# KiCad board AppleII.kicad_pcb (continued)
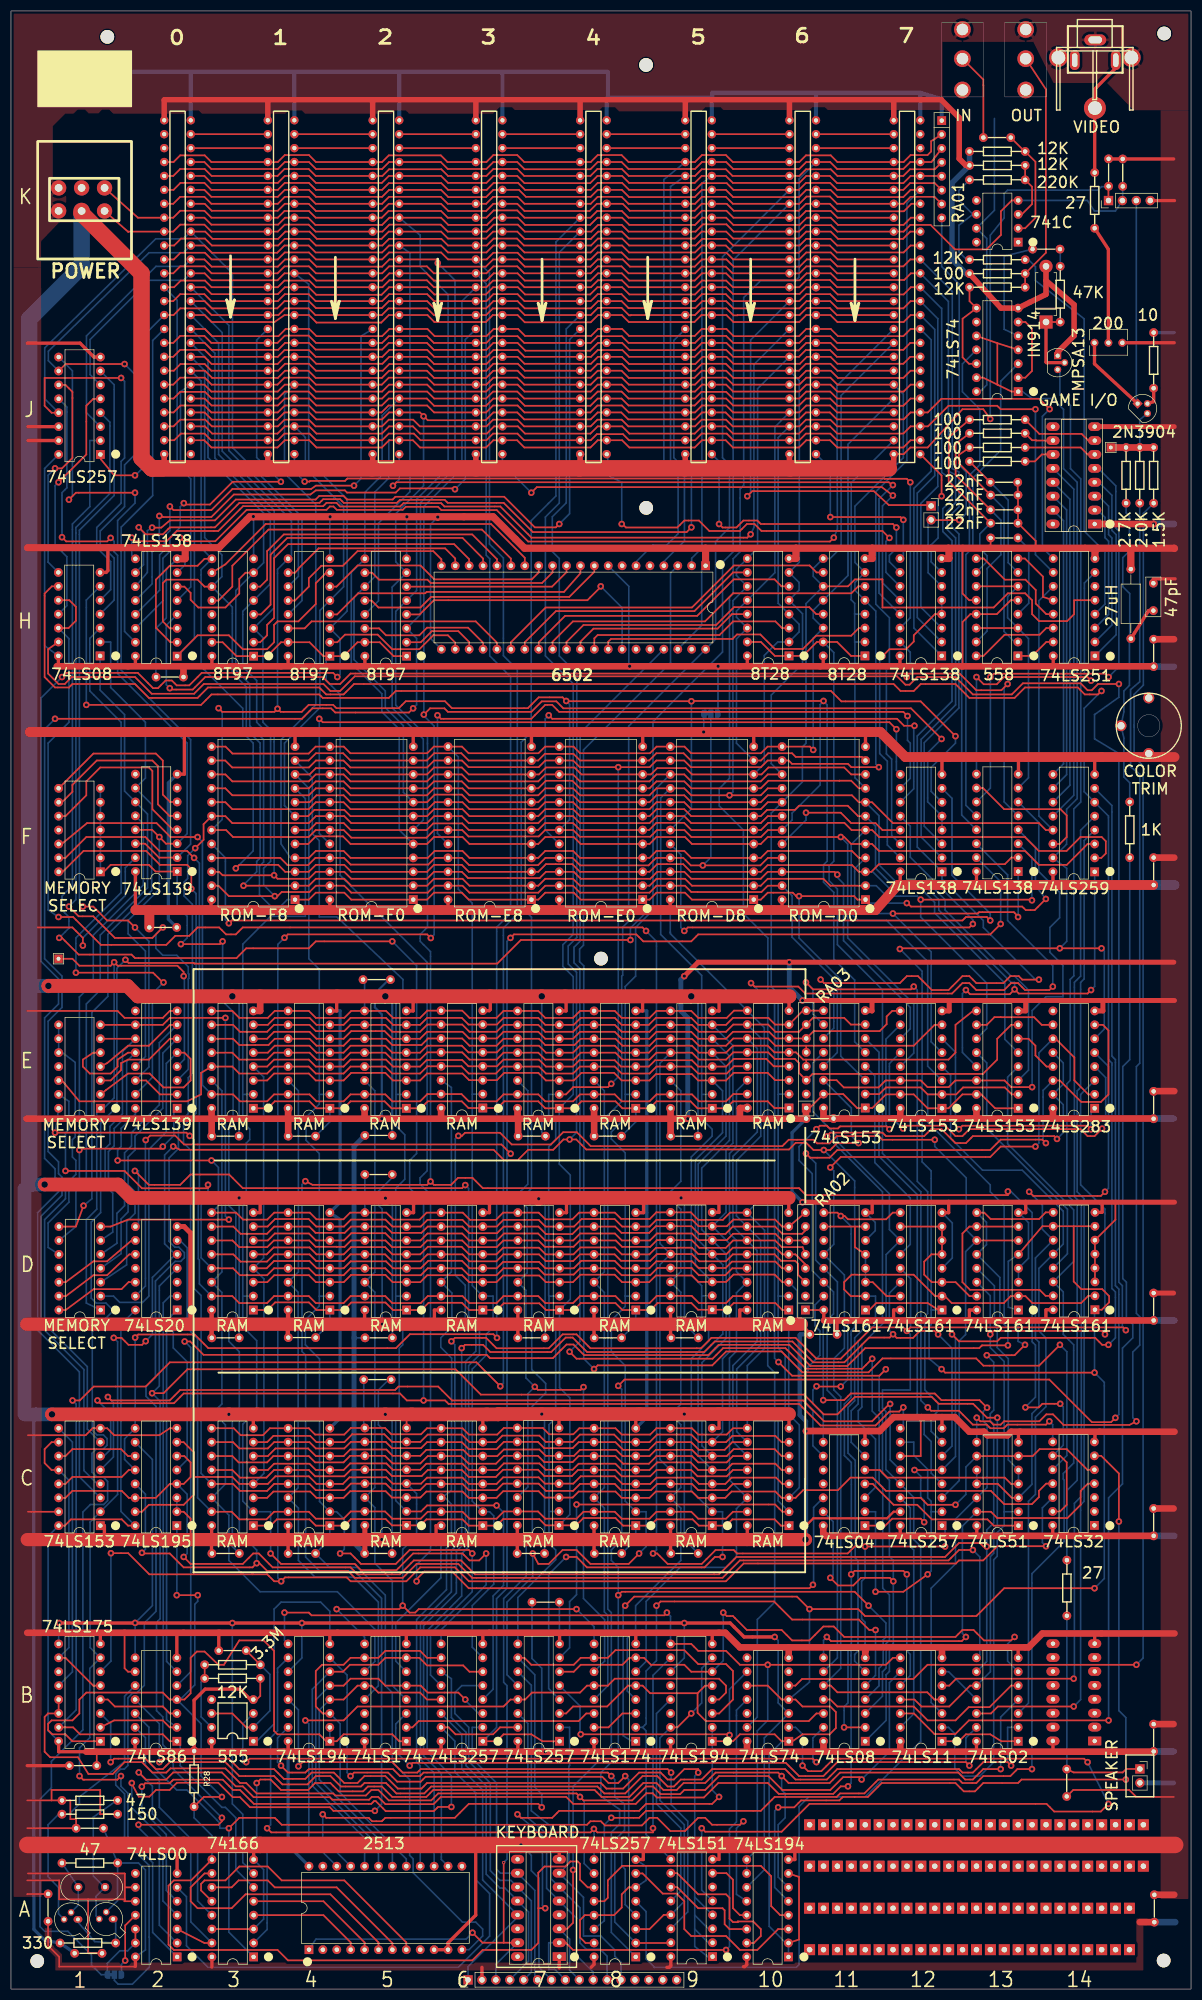
[diagram p0: board, top side]
## Routing (per net, layer and track width the routed paths; a pad name or vN(x,y) marks a point on that pad's centre or on a via; arc(x,y) is an arc through that point) (continued)
Net-(A8-I0a): length 110.6
  Top w0.3: A9.15 120.47,8.41 A8.2 ; v1(49.33,40.79) 50.6,39.52 53.77,39.52 54.41,40.16 69.77,40.16 71.04,38.89 74.73,38.89 75.36,39.52 109.02,39.52 v1(109.65,38.89)
  Bottom w0.3: A8.2 110.29,12.24 110.29,27.2 112.06,28.98 112.06,33.81 110.29,35.08 110.29,38.25 v1(109.65,38.89) ; v1(49.33,40.79) 48.69,41.43 48.69,45.85 B4.15
Net-(A8-Za): length 102.9
  Top w0.3: v1(62.03,38.89) 62.66,39.52 68.88,39.52 70.54,37.87 74.85,37.87 75.74,38.76 108,38.76 109.14,37.62 110.92,37.62 v1(112.19,38.89)
  Bottom w0.3: v1(62.03,38.89) 61.39,39.52 61.39,57.33 B4.7 ; v1(112.19,38.89) 112.83,38.25 112.83,26.19 111.56,24.92 111.56,22.5 112.19,21.87 112.19,15.42 A8.4
Net-(A8-Zd): length 142.8
  Top w0.3: v1(46.79,29.36) 47.55,28.6 105.84,28.6 v1(106.48,29.24) 107.11,28.6 117.27,28.6 v1(117.27,29.36)
  Bottom w0.3: v1(46.79,29.36) 47.42,30 47.42,45.87 48.69,47.14 48.69,58.55 B4.10 ; v1(106.48,29.24) 106.5,29.21 A8.9 ; v1(117.27,29.36) 117.27,57.28 B9.10
Net-(A9-I5): length 113.7
  Top w0.3: v1(120.57,39.52) 119.94,40.16 74.85,40.16 74.22,39.52 71.55,39.52 69.65,41.43 53.26,41.43 v1(52.5,40.67)
  Bottom w0.3: v1(120.57,39.52) 120.57,33.68 123.62,30.63 123.62,14.1 A9.14 ; v1(52.5,40.67) 52.5,50.98 B4.13
Net-(A9-Z): length 162.9
  Top w0.3: v1(144.58,40.79) 145.59,39.78 148.01,39.78 150.29,42.06 196.01,42.06 v1(196.65,41.43) ; v1(200.46,33.81) 199.06,32.41 190.55,32.41 189.15,33.81 145.85,33.81 140.77,28.73 126.8,28.73 v1(126.16,29.36)
  Bottom w0.3: v1(144.58,40.79) 144.58,46.51 143.31,47.78 B10.2 ; v1(196.65,41.43) v1(200.46,33.81) ; A9.5 126.16,18.06 v1(126.16,29.36)
Net-(A10-P0): length 38.2
  Top w0.3: A8.7 115.37,21.11 119.05,17.42 121.59,17.42 122.99,16.03 122.99,10.95 124.26,9.68 130.61,9.68 133.15,7.14 136.32,7.14 140.13,10.95 A10.3
Net-(A10-P1): length 47
  Top w0.3: A10.4 140.51,13.49 138.86,15.14 138.86,20.6 136.96,22.5 111.68,22.5 109.02,19.84 109.02,16.66 108.38,16.03 A8.12
Net-(A10-Q0): length 27.4
  Top w0.3: A10.15 135.69,8.41 136.96,9.68 136.96,10.95 135.57,12.34 132.77,12.34 132.77,12.33 132.77,12.22 131.88,12.22 131.24,12.85 131.24,16.66 130.61,17.3 125.53,17.3 121.67,21.16 A9.10
Net-(A10-Q1): length 18.5
  Top w0.3: A10.14 131.24,10.95 130.35,11.84 130.35,14.38 129.97,14.76 125.53,14.76 121.67,18.62 A9.11
Net-(A10-Q2): length 12.5
  Top w0.3: A9.7 130.68,21.16 131.88,19.96 131.88,14.76 133.15,13.49 A10.13
Net-(B1-1D): length 15
  Top w0.3: B1.4 17.7,52.86 18.97,51.59 27.74,51.59 29.01,50.32 B2.3
Net-(B1-2D): length 54.3
  Top w0.3: C1.12 7.42,94.77 6.15,96.04 6.15,98.58 7.42,99.85 C1.10 ; B1.10 9.96,60.48 15.04,55.4 B1.5
  Bottom w0.3: B1.10 10.59,62.36 10.59,92.89 C1.12
Net-(B1-3D): length 49.1
  Bottom w0.3: C1.9 11.23,99.87 11.23,57.91 B1.12
Net-(B2-Pad6): length 67.6
  Bottom w0.3: D2.1 28.42,122.05 28.42,59.82 B2.6
Net-(B3-DISCH): length 12.5
  Top w0.3: R13.2 R12.1
  Bottom w0.3: R12.1 34.72,56.06 34.72,49.71 B3.7
Net-(B3-OUT): length 123
  Top w0.3: v1(42.98,41.43) 43.61,42.06 146.48,42.06 v1(147.12,41.43)
  Bottom w0.3: v1(42.98,41.43) 42.85,41.3 42.34,41.3 42.34,48.39 B3.3 ; B11.13 146.48,45.85 146.48,41.43 v1(147.12,41.43)
Net-(B3-THRES): length 25.7
  Top w0.3: Cap15.2 45.54,59.22 R13.1 ; B3.6 40.44,50.32 42.98,47.78 B3.2
  Bottom w0.3: R13.1 47.29,57.45 47.29,50.8 B3.2
Net-(B8-D0): length 8.7
  Top w0.3: B8.15 109.14,47.78 111.68,50.32 B8.3
Net-(B11-Pad8): length 80.4
  Top w0.3: C13.13 178.99,87.15 180.14,86 192.96,86 195.38,88.42 195.38,90.96 196.7,92.28 C14.4 ; v1(174.42,64.29) 173.66,63.53 149.78,63.53 v1(149.02,64.29)
  Bottom w0.3: C13.13 173.79,84.53 173.79,64.92 v1(174.42,64.29) ; v1(149.02,64.29) 148.41,63.68 B11.8
Net-(B11-Pad11): length 39.8
  Top w0.3: B11.11 149.66,52.86 150.93,51.59 164.9,51.59 167.44,49.05 172.52,49.05 174.94,51.47 178.75,51.47 182.68,55.4 B13.5
Net-(B12-Pad1): length 14.8
  Top w0.3: B12.1 173.15,45.24 174.42,46.51 178.87,46.51 180.9,45.24 B13.1
Net-(B12-Pad6): length 8.4
  Bottom w0.3: B12.6 171.27,57.94 B13.11
Net-(B12-Pad12): length 201.3
  Top w0.3: B12.12 164.92,50.32 168.68,46.56 172.49,46.56 174.98,49.05 v1(200.48,49.05)
  Bottom w0.3: v1(200.48,49.05) 200.48,89.69 203.02,92.23 203.02,117.02 204.9,118.9 204.9,121.39 203.73,122.55 203.73,129.06 203.07,129.72 203.07,168.43 204.34,169.7 R5.1
Net-(C1-I1b): length 15
  Top w0.3: C1.11 9.96,97.31 11.23,98.58 20.12,98.58 21.39,97.31 C2.11
Net-(C2-P1): length 45.8
  Bottom w0.3: D2.6 30.86,136.68 32.18,135.36 32.18,122.66 29.64,120.12 29.64,117.07 32.18,114.53 32.18,96.65 C2.5
Net-(C11-Pad4): length 31.2
  Top w0.3: C11.4 157.4,92.23 161.21,88.42 165.53,88.42 168.19,85.76 178.35,85.76 179.5,84.61 C13.1
Net-(C12-I0a): length 57.2
  Top w0.3: v1(157.91,72.54) 162.99,72.54 v1(167.44,75.72)
  Bottom w0.3: 168.07,87.15 C12.2 ; 168.07,87.15 168.07,89.05 167.44,89.69 167.44,94.89 164.9,97.43 164.9,99.85 C12.10 ; 168.07,87.15 168.07,76.35 v1(167.44,75.72) ; C11.2 157.91,87.15 v1(157.91,72.54)
Net-(C12-Za): length 87.1
  Bottom w0.3: E11.6 158.55,171.04 158.55,152.04 165.53,145.06 165.53,105.05 166.8,103.78 166.8,101.24 168.07,99.97 168.07,94.21 C12.4
Net-(C12-Zb): length 116.2
  Top w0.3: v1(164.9,183.03) 164.39,182.52 146.48,182.52 v1(145.21,183.79)
  Bottom w0.3: v1(145.21,183.79) 146.48,182.52 146.48,178.03 E11.10 ; C12.7 168.07,101.83 168.07,104.29 169.34,105.56 169.34,106.96 166.93,109.37 166.93,122.83 167.44,123.34 167.44,145.57 165.53,147.47 165.53,182.4 v1(164.9,183.03)
Net-(Cap10-Pad1): length 16
  Top w0.3: J0.T 177.6,348.64 177.6,347.62 177.61,347.61 Cap10.1
Net-(Cap11-Pad2): length 3.2
  Bottom w0.3: R24.2 191.65,314.54 191.65,317.63 Cap11.2
Net-(Cap12-Pad1): length 41.7
  Top w0.3: 192.86,40.16 194.11,39.55 203.07,39.55 203.71,40.19 SPKR1.1
  Bottom w0.3: 192.86,40.16 R25.1
Net-(CR1-K): length 13.4
  Top w0.3: R24.1 CR1.1
  Top w0.6: CR1.1 189.05,297.05 189.15,296.95 Q4.2
Net-(CT3-Pad2): length 64
  Top w0.6: L1.1 205.21,247.57 207.8,251.69 Cap2.1
  Bottom w0.3: R5.2 204.34,220.24 203.28,221.31 203.28,228.42 202.74,230.66 203.28,233.2 203.28,237.01 204.29,238.02 204.29,246.3 L1.1 204.34,246.76 204.34,254.79 203.07,256.06 203.07,261.34 204.29,262.56 204.29,268.91 203.68,269.52 R6.1
Net-(D1-Pad12): length 16.6
  Top w0.3: D1.12 9.98,129.06 15.06,132.87 17.55,132.87 21.92,136.58 D2.9
Net-(D1-Pad13): length 16.8
  Top w0.3: D2.10 21.62,134.14 17.55,130.33 15.06,130.33 10.03,126.52 D1.13
Net-(D1-Pad14): length 15.8
  Top w0.3: D2.12 21.56,129.06 21.51,129.11 20.19,127.79 15.11,127.79 9.98,123.98 D1.14
Net-(D11-CEP): length 26.2
  Top w0.3: D11.3 157.4,129.06 159.94,126.52 D12.15 ; 154.15,139.22 154.15,135.46 D11.5 ; 154.15,139.22 D11.10 ; 154.15,139.22 D11.7
  Bottom w0.3: D11.5 D11.3
Net-(D11-TC): length 32.7
  Bottom w0.3: C11.9 146.48,99.19 146.48,105.56 145.21,106.83 145.21,112.55 145.59,112.93 145.59,113.69 145.72,113.69 147.75,115.72 147.75,120.17 146.86,121.06 146.86,124.92 D11.15
Net-(D11-~{PE}): length 63.4
  Top w0.3: D11.9 150.95,141.76 v1(151.56,141.15) 152.27,141.15 152.88,140.54 159.84,140.54 161.06,141.76 D12.9 ; v1(151.56,110.01) 147.19,110.01 v1(147.14,110.06)
  Bottom w0.3: v1(147.14,110.06) 146.48,109.4 146.48,106.86 148.36,104.98 C11.8 ; v1(151.56,141.15) 153.44,139.27 153.44,122 152.83,121.39 152.83,111.28 v1(151.56,110.01)
Net-(D12-CEP): length 30.1
  Top w0.3: D13.15 175.08,126.52 172.54,129.06 D12.3 168.17,129.06 166.8,130.43 166.8,132.82 168.12,134.14 D12.5 D12.7 D12.10
Net-(D13-CEP): length 37.3
  Top w0.3: D14.15 188.98,126.57 187.88,127.67 175.18,127.67 173.79,129.06 173.79,137.95 175.06,139.22 D13.10 D13.7
Net-(D13-Q2): length 264.8
  Top w0.3: D13.9 177.77,141.76 178.94,140.59 187.78,140.59 189,141.81 D14.9 ; v1(182.09,117.53) 177.37,117.53 176.86,117.02 156.03,117.02 152.78,113.77 146.02,113.77 142.16,117.63 129.26,117.63 127.38,115.75 104.67,115.75 102.74,117.68 101.47,117.68 98.98,115.19 87.5,115.19 86.89,115.8 35.18,115.8 32.74,118.24 v1(31.72,118.24)
  Bottom w0.3: D13.9 178.18,139.98 178.18,135.92 D13.12 180.62,129.92 180.62,122.15 182.09,120.68 v1(182.09,117.53) ; v1(31.72,118.24) 32.84,117.12 32.84,57.94 B2.5
Net-(E2A-A0): length 151.5
  Top w0.3: v1(13.13,197.64) 15.04,197.64 17.58,195.1 21.39,195.1 v1(22.66,193.83) ; E2.14 24.69,165.89 27.23,163.35 E2.2
  Bottom w0.3: v1(13.13,197.64) 12.5,198.27 12.5,266.34 18.85,272.69 18.85,292.91 J1.7 ; E2.14 25.2,168.35 25.2,191.29 v1(22.66,193.83)
Net-(E2A-A1): length 147.6
  Top w0.3: v1(27.74,193.83) 25.83,191.92 18.97,191.92 15.04,195.86 12.37,195.86 v1(10.59,197.64)
  Bottom w0.3: v1(27.74,193.83) 26.47,192.56 26.47,190.02 27.74,188.75 30.28,188.75 32.39,186.64 32.39,185.44 32.5,185.33 32.5,184.54 32.39,184.43 32.39,167.92 E2.3 ; J1.4 18.08,286.05 18.08,273.08 11.86,266.85 11.86,198.91 v1(10.59,197.64)
Net-(E2A-E): length 112.5
  Top w0.3: v1(27.74,153.82) 27.36,153.44 12.75,153.44 v1(12.5,153.19)
  Bottom w0.3: E2.1 29.74,160.2 29.74,155.83 v1(27.74,153.82) ; D1.10 6.78,135.41 6.78,139.85 10.59,143.66 10.59,145.95 12.5,147.85 v1(12.5,153.19) 12.5,181.13 15.04,183.67 15.04,192.43 24.18,201.57 24.18,212.75 F2.12
Net-(E2A-O0): length 109.9
  Top w0.3: TP1.1 11.23,188.11 12.5,186.84 18.21,186.84 v1(18.85,187.48) 19.48,186.84 30.4,186.84 31.55,185.7 v1(31.55,184.94)
  Bottom w0.3: E2.4 31.67,169.75 31.67,184.81 v1(31.55,184.94) ; v1(18.85,187.48) 18.85,162.71 16.94,160.81 E1.1 15.67,160.15 15.67,142.39 13.77,140.49 13.77,125.25 D1.1
Net-(E2A-O1): length 82.6
  Top w0.3: E1.2 17.32,164.11 21.39,167.16 25.32,167.16 27.86,164.62 31.55,164.62 32.82,165.89 32.82,169.82 31.67,170.97 E2.5
  Bottom w0.3: E2.5 28.37,168.99 28.37,156.49 25.2,153.31 25.2,126.52 24.05,125.37 19.87,125.37 18.72,126.52 D1.2
Net-(E2A-O2): length 69.7
  Top w0.3: E2.6 29.01,173.51 25.2,169.7 21.39,169.7 20.12,169.06 20.12,167.79 18.21,165.89 E1.3
  Bottom w0.3: E2.6 27.74,170.89 27.74,160.81 22.66,155.73 22.66,153.19 21.39,151.92 21.39,146.84 22.66,145.57 22.66,141.63 21.13,140.11 21.13,132.23 D1.3
Net-(E2A-O3): length 68
  Top w0.3: E1.4 17.58,169.06 21.39,172.24 25.2,172.24 29.01,176.05 E2.7
  Bottom w0.3: D1.4 20.12,134.26 20.12,140.61 21.39,141.88 21.39,145.44 20.75,146.08 20.75,152.68 22.02,153.95 22.02,156.36 27.1,161.44 27.1,172.8 E2.7
Net-(E2B-A1): length 153.1
  Top w0.3: F2.13 25.78,211.66 v1(27.1,210.34) 28.32,209.12 F2.3 ; v1(18.21,264.95) 17.58,264.31 10.08,264.31 v1(9.32,265.07)
  Bottom w0.3: F2.3 32.18,210.95 32.18,227.48 19.48,240.18 19.48,261.77 18.85,262.41 18.85,264.31 v1(18.21,264.95) ; J1.12 10.21,288.85 10.21,274.09 9.32,273.2 v1(9.32,265.07) ; v1(27.1,210.34) 27.1,200.81 21.39,195.1 21.39,192.68 24.56,189.51 24.56,170.26 E2.13
Net-(E2B-E): length 108.8
  Top w0.3: v1(27.86,183.79) 27.74,183.79 25.96,185.57 v1(11.86,185.57)
  Bottom w0.3: H1.3 14.4,246.61 14.4,237.01 20.12,231.29 20.12,200.18 11.86,191.92 v1(11.86,185.57) ; v1(27.86,183.79) 25.83,181.76 25.83,166.45 E2.15
Net-(E2B-O0): length 59.4
  Top w0.3: E2.12 21.39,170.97 19.48,169.7 19.48,168.43 18.21,167.16 14.4,167.16 13.13,168.43 13.13,169.7 15.04,170.97 E1.5
  Bottom w0.3: E2.12 21.13,169.37 21.13,159.41 18.85,157.12 18.85,153.95 17.81,152.91 17.81,147.88 20.75,144.93 20.75,143.03 19.35,141.63 19.35,136.17 D1.5
Net-(E2B-O1): length 47.3
  Top w0.3: E1.6 E2.11
  Bottom w0.3: D1.6 18.59,138.2 18.59,145.31 17.2,146.71 17.2,153.44 18.08,154.33 18.08,157.51 20.37,159.79 20.37,171.15 E2.11
Net-(E2B-O2): length 84.1
  Top w0.3: v1(39.17,177.32) 29.01,177.32 27.74,176.05 E2.10 E1.7 ; D1.7 18.21,139.22 21.39,140.49 v1(39.8,140.49)
  Bottom w0.3: v1(39.17,177.32) 39.17,141.12 v1(39.8,140.49)
Net-(E12-I0a): length 46.6
  Top w0.3: 197.28,157 196.65,157.63 173.79,157.63 v1(173.15,157)
  Bottom w0.3: E14.1 197.28,160.15 v1(197.26,156.97) 197.28,157 ; E12.6 172.52,171.04 172.52,157.63 v1(173.15,157)
Net-(E12-I2b): length 67.3
  Top w0.3: 199.31,157.12 v1(199.29,157.1) 197.92,155.73 196.65,155.73 195.38,157 175.06,157 173.79,155.73 172.52,155.73 170.61,157.63 163.63,157.63 162.99,157
  Bottom w0.3: E12.12 160.45,168.99 160.45,159.54 162.86,157.12 v1(162.94,157.12) 162.94,157.05 162.99,157 ; 199.31,157.12 199.95,157.76 199.95,166.42 E14.4
Net-(E13-I0a): length 9.5
  Top w0.3: E13.6 185.85,173.51 187.12,172.24 187.12,170.46 189.15,168.43 E14.13
Net-(E13-I0b): length 15.1
  Top w0.3: E14.10 188.26,176.05 186.87,177.44 180.78,177.44 180.77,177.44 179.63,177.44 178.23,176.05 E13.10
Net-(E14-A4): length 129.5
  Top w0.3: 149.02,155.73 149.66,156.36 159.18,156.36 159.82,155.73 166.8,155.73 168.07,157 169.98,157 172.52,154.46 174.42,154.46 175.69,155.73 190.55,155.73 v1(191.06,155.22)
  Bottom w0.3: C11.6 153.47,99.82 153.47,105.56 154.74,106.83 154.74,118.26 159.18,122.71 159.18,145.57 v1(149.07,155.68) 149.02,155.73 ; v1(191.06,155.22) 192.2,156.36 192.2,161.47 E14.15 192.2,165.23 192.2,169.09 E14.12
Net-(F2A-A0): length 123.1
  Top w0.3: v1(22.66,273.2) 11.86,273.2 v1(10.59,271.93) ; F2.14 24.51,209.12 27.05,206.58 F2.2
  Bottom w0.3: F2.2 32.82,209.04 32.82,228.12 20.12,240.82 20.12,262.53 19.48,263.17 19.48,268.12 22.66,271.3 v1(22.66,273.2) ; J1.9 11.23,295.45 11.23,272.57 v1(10.59,271.93)
Net-(F2A-O0): length 35.6
  Top w0.3: F1.10 9.96,214.15 13.77,217.96 13.77,220.5 16.31,223.04 25.2,223.04 25.83,222.4 25.83,215.42 29.59,211.66 F2.4
Net-(F2A-O1): length 33.8
  Top w0.3: F2.5 28.96,214.2 26.85,216.31 26.85,223.29 25.83,224.31 15.67,224.31 11.23,219.86 11.23,218.59 9.32,216.69 F1.9
Net-(F2A-O2): length 31.6
  Top w0.3: F2.6 29.08,216.74 27.74,218.08 27.74,224.31 26.47,225.58 15.06,225.58 F1.8
Net-(F2B-O1): length 117.2
  Bottom w0.3: H1.1 16.28,237.16 20.75,232.69 20.75,218.72 F2.11 24.94,214.53 24.94,201.07 16.31,192.43 16.31,182.4 13.77,179.86 13.77,147.6 11.86,145.69 11.86,139.22 D1.9
Net-(F2B-O2): length 121.8
  Top w0.3: D1.8 11.86,139.22 v1(13.26,143.03)
  Bottom w0.3: v1(13.26,143.03) 14.78,144.3 14.78,178.33 17.7,181.25 17.7,192.56 25.7,200.56 25.7,216.31 F2.10 24.56,221.11 24.56,231.29 18.21,237.64 18.21,245.9 18.16,245.95 H1.2
Net-(F12-E3): length 201.2
  Top w0.3: v1(172.52,228.75) 166.17,235.1 151.69,235.1 149.78,237.01 70.28,237.01 69.01,235.74 56.95,235.74 56.31,236.37 36.63,236.37 34.72,234.47 v1(13.77,234.47)
  Bottom w0.3: H1.6 13.77,253.59 v1(13.77,234.47) ; F12.6 168.07,218.67 168.07,223.04 172.52,227.48 v1(172.52,228.75)
Net-(F13-O5): length 25.5
  Top w0.3: F14.14 191.57,209.07 192.84,210.34 192.84,214.27 191.69,215.42 181.41,215.42 177.55,219.28 F13.10
Net-(F13-O6): length 61.1
  Top w0.3: v1(176.35,239.55) 177.67,238.23 180.06,238.23 181.38,239.55 196.62,239.55 v1(197.28,238.89)
  Bottom w0.3: H14.7 196.06,256.72 196.06,240.11 v1(197.28,238.89) ; v1(176.35,239.55) F13.9
Net-(F13-O7): length 55.2
  Top w0.3: H13.14 H13.3 ; H13.11 H13.6
  Bottom w0.3: F13.7 185.85,221.16 185.85,246.56 H13.3 182.04,250.37 182.04,254.23 H13.6
Net-(H3-DIS1): length 311.5
  Top w0.3: H3.15 38.66,245.9 41.2,243.36 H3.1 46.79,243.36 49.33,245.9 H4.15 54.53,245.9 57.07,243.36 H4.1 60.76,243.36 63.3,245.9 H5.15 67.36,245.9 69.9,243.36 H5.1 ; v1(146.48,73.81) 145.85,73.18 83.62,73.18 80.57,76.23 75.49,76.23 74.09,74.83 v1(74.09,74.45)
  Bottom w0.3: v1(146.48,73.81) 146.61,73.94 146.61,87.93 C11.12 ; v1(74.09,74.45) 74.09,77.5 76.63,80.04 76.63,145.06 74.73,146.96 74.73,148.11 76,149.38 76,187.48 60.12,203.35 60.12,236.37 57.58,238.91 57.58,242.72 58.22,243.36 H4.1
Net-(H7-Phi0): length 263.1
  Top w0.3: v1(157.3,115.09) 155.47,113.26 145.21,113.26 141.45,117.02 130.07,117.02 128.14,115.09 103.3,115.09 v1(102.03,116.36)
  Bottom w0.3: v1(157.3,115.09) 157.3,105.54 158.57,104.27 158.57,92.28 159.23,91.62 159.23,73.18 160.45,71.96 160.45,63.68 159.84,63.07 159.84,58.6 159.18,57.94 159.18,53.47 B11.3 ; H7.37 103.96,229.34 103.96,191.34 102.84,190.22 102.84,187.38 103.91,186.31 103.91,118.24 v1(102.03,116.36)
Net-(H7-Phi1): length 270.8
  Top w0.3: v1(106.5,113.21) 107.16,113.87 128.09,113.87 130.63,116.41 140.74,116.41 144.55,112.6 156.64,112.6 159.18,115.14 176.3,115.14 177.62,113.82 187.78,113.82 v1(191.59,117.63)
  Bottom w0.3: C14.10 192.86,97.41 192.86,116.36 v1(191.59,117.63) ; H7.3 120.47,258.55 120.47,242.14 104.57,226.24 104.57,190.58 103.86,189.86 103.86,187.58 104.62,186.82 104.62,115.09 v1(106.5,113.21)
Net-(H10-Driver_Ena): length 201.3
  Top w0.3: H10.15 136.98,245.95 139.52,243.41 H10.1 144.65,243.41 147.19,245.95 H11.15 150.9,245.95 153.44,243.41 H11.1 ; v1(189.66,103.66) 189.05,103.05 181.99,103.05 181.33,102.39 178.89,102.39 178.23,103.05 175.69,103.05 173.15,105.59 168.07,105.59 v1(167.46,106.2)
  Bottom w0.3: v1(167.46,106.2) 166.19,107.47 166.19,145.57 159.18,152.58 159.18,182.45 150.95,190.68 150.95,200.84 149.43,202.36 149.43,205.05 150.29,205.92 150.29,244.02 H11.15 ; v1(189.66,103.66) 190.27,103.05 C14.8
Net-(H13-Ctrl_Volt): length 15.6
  Bottom w0.3: Cap9.1 185.9,262.98 185.9,253.01 H13.4
Net-(H13-OutA): length 7.5
  Top w0.3: H14.15 189.1,245.95 186.56,243.41 H13.1
Net-(H13-OutB): length 11.6
  Top w0.3: H14.12 188.49,254.18 188.49,257.89 185.19,261.19 H13.8
Net-(H13-OutC): length 19.7
  Top w0.3: H14.13 189.1,251.03 187.17,252.96 187.17,255.45 185.29,257.33 181.53,257.33 177.67,261.19 H13.9
Net-(H13-OutD): length 16.2
  Top w0.3: H13.16 177.62,243.41 181.48,247.27 187.88,247.27 189.1,248.49 H14.14
Net-(H13-TimingA): length 41.5
  Top w0.3: Cap8.1 173.15,278.55 173.15,280.14 175.18,281.51
  Bottom w0.3: H13.2 183.31,245.95 181.38,247.88 181.38,270.32 Cap8.1
Net-(H13-TimingB): length 23.9
  Top w0.3: R23.2 175.08,278.91 Cap7.1
  Bottom w0.3: H13.7 182.14,260.43 182.14,271.85 Cap7.1
Net-(H13-TimingC): length 35
  Top w0.3: R22.2 171.32,283.39 171.27,275.3 Cap6.1
  Bottom w0.3: Cap6.1 176.96,265.67 176.96,263.02 178.28,261.7 178.28,260.63 H13.10
Net-(H13-TimingD): length 44.7
  Top w0.3: R21.2 172.54,282.12 172.54,276.46 Cap5.1
  Bottom w0.3: Cap5.1 180.82,268.18 180.82,261.9 178.28,259.36 178.28,247.93 H13.15
Net-(H14-I1): length 23.9
  Bottom w0.3: J14.2 198.5,270.03 199.82,268.71 199.82,265 200.48,264.34 200.48,250.98 H14.3
Net-(H14-I2): length 29.6
  Bottom w0.3: H14.2 201.09,249.05 201.09,264.95 200.48,265.56 200.48,270.74 198.65,272.57 J14.3
Net-(H14-I3): length 35.4
  Bottom w0.3: J14.4 198.7,275.11 201.09,272.72 201.09,266.32 201.85,265.56 201.85,247.27 H14.1
Net-(J1-I0b): length 45
  Top w0.3: J1.5 15.04,290.35 13.77,289.08 13.77,280.19 v1(8.69,275.11)
  Bottom w0.3: H1.11 10.21,252.58 10.21,261.52 8.05,263.68 8.05,274.47 v1(8.69,275.11)
Net-(J1-I0d): length 39.4
  Top w0.3: v1(8.05,277.65) 9.32,277.65 11.23,279.55 11.23,291.62 9.96,292.89 J1.11
  Bottom w0.3: H1.8 6.78,260.53 6.78,276.38 v1(8.05,277.65)
Net-(J2-PadT): length 44.4
  Top w0.3: J2.T 189.03,346.86 189.03,317.02 R18.2 R19.1
Net-(J13A-D): length 13.8
  Top w0.3: J13.6 185.29,304.37 186.49,303.17 186.49,295.43 185.27,294.21 J13.2
Net-(J13A-Q): length 21.6
  Bottom w0.3: J13.5 181.41,303.05 181.41,316.38 Cap11.1 186.65,317.73
Net-(J13B-D): length 17.6
  Top w0.3: J13.12 174.98,296.75 173.81,297.92 173.81,304.98 J13.8 175.08,308.18 R19.2
Net-(J18-Pin_3): length 51.7
  Top w0.6: R11.1 197.91,296.73 Q3.1
  Bottom w0.3: Q3.1 205.55,289.7 J18.3
Net-(JP1-B): length 11.9
  Top w0.3: A2.11 20.86,11.62 v1(20.86,5.2)
  Bottom w0.3: v1(20.86,5.2) 20.19,4.52 JP1.3
Net-(K13-+): length 10.9
  Top w0.3: K13.3 184.63,324.03 186.51,325.91 186.51,329.06 R15.1 R16.2
Net-(K13--): length 20.5
  Top w0.3: K13.2 185.24,321.49 187.12,323.37 187.12,333.63 R17.2 185.15,335.51 Cap10.2
Net-(K13-Pad6): length 20.1
  Bottom w0.3: R15.2 173.15,328.4 173.15,326.57 175.69,324.03 K13.6 175.49,323.88 173.15,322.05 173.15,317.17 174.57,315.75 R29.1
Net-(K14-Pad2): length 22.1
  Top w0.6: R10.2 197.94,346.89 201.79,350.74 K14.2
Net-(Q1-C): length 25.8
  Bottom w0.3: Q1.3 15.54,13.36 15.54,16.97 Y1.1 ; 19.43,34.52 15.04,31.39 15.04,20.64 17.05,18.62
Net-(Q1-E): length 13.6
  Bottom w0.3: Q2.1 12.24,12.22 15.29,8.66 R1.2 19.13,12.32 Q1.1
Net-(Q2-B): length 10.5
  Bottom w0.3: Q2.2 12.3,15.32 Y1.2 R4.2
Net-(Q2-C): length 52.2
  Bottom w0.3: B2.10 20.75,53.47 20.75,41.55 12.5,35.08 12.5,33.81 10.62,31.93 R3.1 8.71,31.93 6.78,30 6.78,20.47 8.69,18.57 8.69,13.74 Q2.3
Net-(Q3-C): length 3.6
  Top w0.6: R9.2 208.71,289.84 Q3.2
Net-(Q4-C): length 221.7
  Bottom w0.3: Q4.3 191.59,295.27 191.59,291.06 193.52,289.13 193.52,277.6 195.4,275.72 195.4,216.74 194.13,215.47 194.13,184.99 193.47,184.33 193.47,165.89 192.86,165.28 192.86,145.01 194.74,143.13 194.74,92.89 192.86,91.01 R25.2
Net-(R10-Pad1): length 21.6
  Top w0.6: R11.2 200.45,317.64 R10.1
Net-(SLOT0-Pin_23): length 14.1
  Top w0.3: SLOT0.23 SLOT1.28
Net-(SLOT0-Pin_24): length 14.1
  Top w0.3: SLOT0.24 SLOT1.27
Net-(SLOT1-Pin_23): length 14.3
  Top w0.3: SLOT1.23 SLOT2.28
Net-(SLOT1-Pin_24): length 14.3
  Top w0.3: SLOT1.24 SLOT2.27
Net-(SLOT2-Pin_23): length 14
  Top w0.3: 70.92,336.12 SLOT3.28
Net-(SLOT2-Pin_24): length 14
  Top w0.3: 70.92,338.66 SLOT3.27
Net-(SLOT4-Pin_23): length 14.4
  Top w0.3: SLOT4.23 SLOT5.28
Net-(SLOT4-Pin_24): length 14.4
  Top w0.3: SLOT4.24 SLOT5.27
Net-(SLOT5-Pin_23): length 14.2
  Top w0.3: SLOT5.23 SLOT6.28
Net-(SLOT5-Pin_24): length 14.2
  Top w0.3: SLOT5.24 SLOT6.27
Net-(SLOT6-Pin_23): length 14.2
  Top w0.3: SLOT6.23 SLOT7.28
Net-(SLOT6-Pin_24): length 14.2
  Top w0.3: SLOT6.24 SLOT7.27

## Copper pours and planes (outline as drawn; the poured copper is in the pictures)
+5V on Top: 205.56,12.88 209.7,12.88 209.7,11.61 206.83,11.61 206.83,3.38 8.1,3.38 8.1,5.82 6.17,7.75 6.17,12.88 7.44,12.88 7.44,8.2 9.32,6.32 9.32,4.85 205.56,4.85
+5V on Bottom: 12.32,328.9 9.63,332.11 9.63,351.31 10.95,352.93 21.41,352.93 21.41,360.25 170.66,360.25 170.97,345.62 172.19,343.38 188.75,343.38 191.29,338.66 197.94,338.66 200.99,342.06 214.45,342.06 214.45,338 214.6,11.71 209.93,11.71 210.08,338 200.79,338 197.64,335.15 189.05,335.15 187.12,340.54 172.19,340.54 169.73,343.37 169.55,343.38 19.53,343.08 19.48,343.03 19.48,335.46 14.12,329.77 12.93,328.8
GND on Top: 7.65,330.48 7.65,340.13 9.93,342.42 11.46,342.42 12.17,343.13 13.54,343.13 14.2,342.47 15.98,342.47 16.64,343.13 17.96,343.13 18.67,342.42 31.67,342.42 32.23,342.98 34.32,342.98 34.87,342.42 50.11,342.42 50.67,342.98 53.16,342.98 53.72,342.42 69.57,342.42 70.13,342.98 72.16,342.98 72.72,342.42 88.06,342.42 89.23,343.59 91.52,343.59 92.02,343.08 107.52,343.08 108.03,343.59 110.31,343.59 111.07,342.82 126.06,342.82 126.82,343.59 129.62,343.59 130.12,343.08 145.87,343.08 146.38,343.59 148.67,343.59 149.17,343.08 170.66,343.08 170.66,342.82 171.27,342.82 171.27,343.59 170.15,344.7 170.15,355.52 186.74,355.52 190.42,348.01 200.2,348.01 205.05,343.03 215.06,343.03 215.11,360.86 0.43,360.85 0.43,314.32 5.51,314.29 5.51,319.12 10.08,323.88 10.08,330.48
GND on Top: 0.41,16.81 0.43,314.38 5.51,314.38 5.64,16.81
GND on Top: 209.98,351.21 215.06,351.21 215.06,16.43 209.98,16.43
GND on Top: 2.97,21.11 20.75,21.11 20.75,15.77 20.12,16.41 8.81,16.41 8.81,19.84 2.97,19.84

## Text on the board
F.Silkscreen: 100 | 74LS257 | 12K | IN | OUT | 741C | 220K | GAME I/O | 27 | 47K | VIDEO | 200 | 2N3904 | 10 | MEMORY / SELECT | COLOR / TRIM | 74LS74 | IN914 | MPSA13 | 27uH | 2.7K | 2.0K | 1.5K | 47pF | POWER | H | K | A | C | B | F | E | D | J | 1 | 2 | 3 | 4 | 5 | 6 | 7 | 8 | 9 | 11 | 12 | 13 | 14
